# KiCad board AmigaPCI Mainboard.kicad_pcb (continued)
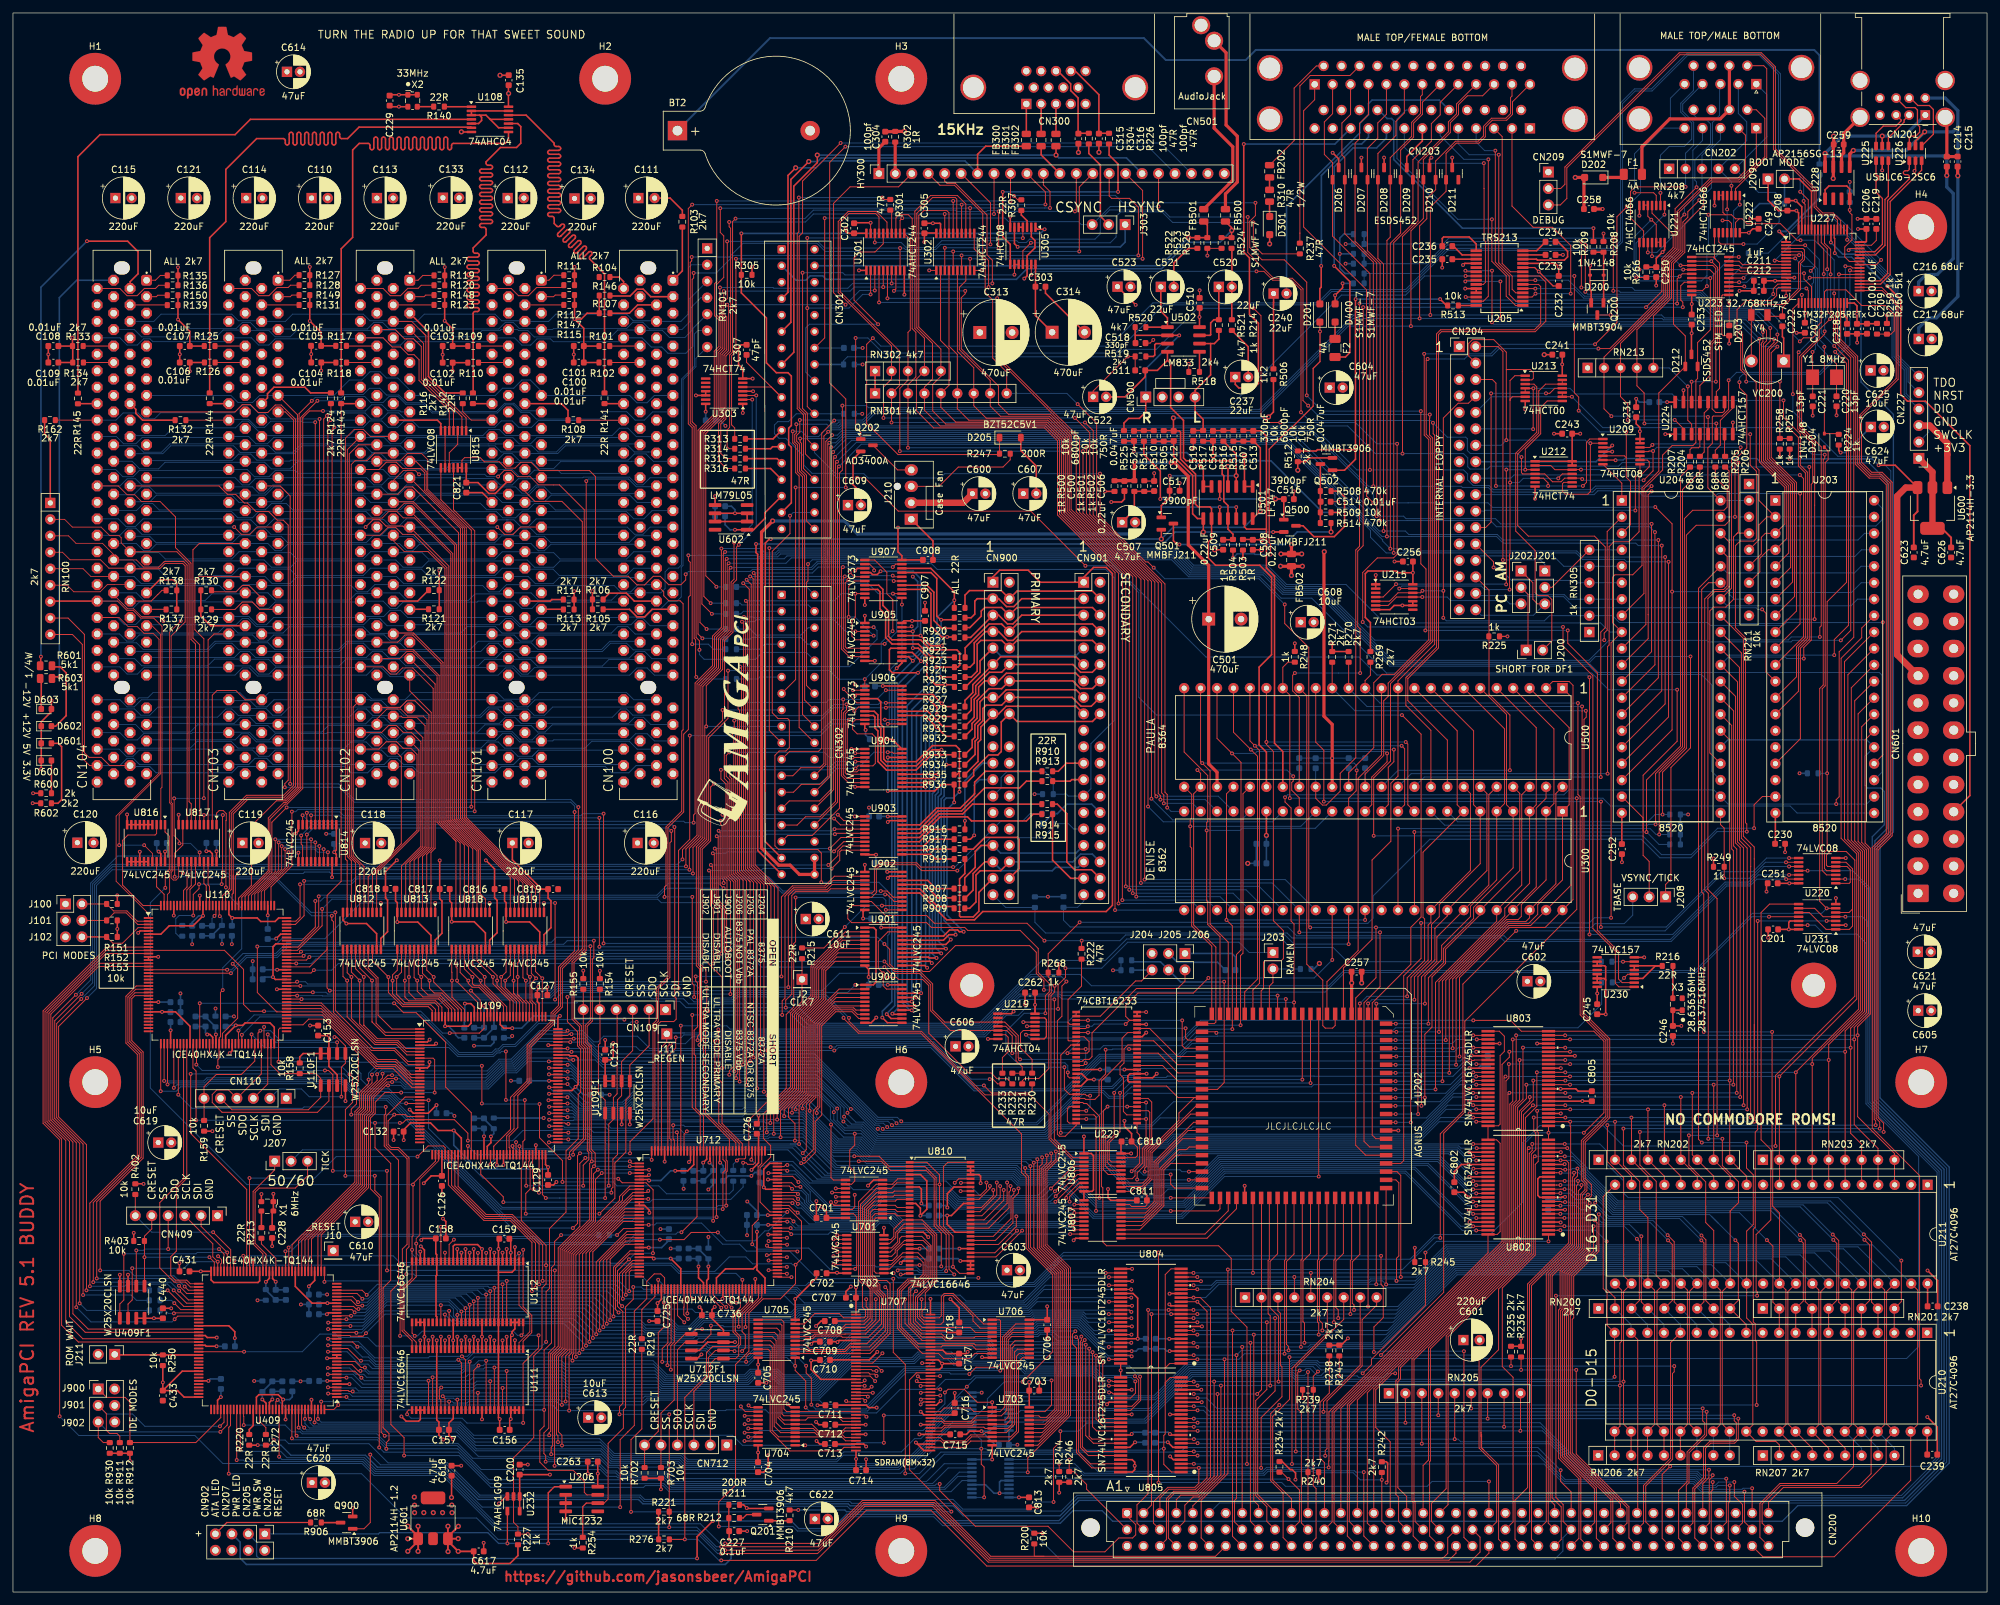
[diagram p0: board, top side]
## Routing (per net, layer and track width the routed paths; a pad name or vN(x,y) marks a point on that pad's centre or on a via; arc(x,y) is an arc through that point) (continued)
_CBE1: length 115.6
  Top w0.15: CN103.B44 31.05,147.94 30.13,147.02 U817.3
  Bottom w0.13: 33.47,147.79 37,147.79 37.95,146.84 39.31,146.84 40.25,147.78 53.48,147.78 ; 74.1,147.78 77.38,147.78 78.32,146.84 80.17,146.84 81.11,147.78 94.11,147.78 ; 73.87,147.85 60.86,147.85 59.85,146.84 58.27,146.84 57.3,147.81 53.78,147.81 ; 33.17,147.79 19.49,147.79 18.54,146.84 17.56,146.84 16.46,147.94 CN104.B44
_CBE2: length 135.7
  Top w0.15: CN103.B33 28.76,161.91 27.79,160.94 27.79,147.31 28.83,146.27 U817.5
  Bottom w0.13: 56.07,161.81 42.43,161.81 41.42,160.8 40.47,160.8 39.36,161.91 35.85,161.91 ; 56.18,161.91 59.68,161.91 60.8,160.79 61.74,160.79 62.75,161.8 76.39,161.8 ; 96.7,161.8 83.06,161.8 82.05,160.79 81.11,160.79 79.99,161.91 76.49,161.91 ; 35.76,161.81 22.12,161.81 21.11,160.8 20.16,160.8 19.05,161.91 CN104.B33
_CBE3: length 146.8
  Top w0.13: 16.26,170.8 17.62,169.44 18.8,169.44 19.84,168.4 22.72,168.4 23.12,168
  Top w0.15: 16.26,170.8 CN104.B26 ; 23.12,168 25.1,166.02 25.1,161.27 27.49,158.88 27.49,147.1 28.18,146.41 U817.6
  Bottom w0.13: CN104.B26 16.52,170.8 17.63,171.91 18.92,171.91 19.88,170.95 33.18,170.95 ; 73.8,170.95 60.74,170.95 59.46,169.66 57.84,169.66 56.84,170.66 53.77,170.66 ; 53.49,170.95 40.13,170.95 38.87,169.69 37.94,169.69 36.97,170.66 33.46,170.66 ; 74.09,170.65 77.61,170.65 78.58,169.68 79.5,169.68 80.76,170.94 80.99,170.94 81,170.95 82.17,170.95 82.18,170.94 94.12,170.94
_CCAS: length 33.4
  Top w0.15: v1(111.7,44.68) 111.12,45.26 U712.62 ; U707.18 132.54,34.35 132.75,34.14 v1(133.32,34.14)
  In2.Cu w0.15: v1(111.7,44.68) 125.96,44.68 132.32,38.31 132.32,35.14 v1(133.32,34.14)
_CDAC: length 66.8
  Top w0.15: v1(165.97,87.36) 165.63,87.02 U229.33 ; v1(184.58,94.82) 182.24,92.49 173.69,92.49 171.81,90.61 171.81,88.89 172.41,88.29 U229.26 172.4,88.29 v1(171.81,87.71) ; v1(156.57,87.36) U219.11 ; v1(203.7,97.61) 203.69,97.62 U300.34
  Bottom w0.15: v1(156.57,87.36) v1(165.97,87.36) 166.6,87.36 166.95,87.71 v1(171.81,87.71) ; v1(203.7,97.61) 200.91,94.82 v1(184.58,94.82)
_CIACS0: length 394.4
  Top w0.15: v1(11.43,91.72) 7.05,87.34 7.05,73.38 11.35,69.08 v1(11.35,46.59) ; v1(104.45,111.54) 104.44,111.55 104.44,114.84 106.22,116.63 106.22,139.98 108.94,142.7 108.94,147.27 110.28,148.61 110.28,158.63 v1(110.5,158.86)
  Bottom w0.15: v1(110.5,158.86) 119.35,158.86 120.19,159.7 179.03,159.7 181.65,157.07 193.01,157.07 196,154.08 201.46,154.08 212.57,142.97 243.38,142.97 244.66,141.69 260.69,141.69 262.29,140.09 262.29,126.74 U204.23 ; v1(11.43,91.72) 12.9,93.19 12.9,109.1 15.34,111.54 v1(104.45,111.54) ; R273.2 v1(11.35,46.59)
_CIACS1: length 423.5
  Top w0.15: v1(10.55,91.59) 6.75,87.78 6.75,73.26 10.82,69.18 10.82,45.88 v1(10.83,45.87) ; v1(103.91,112.06) 103.9,112.07 103.9,114.73 105.92,116.75 105.92,140.11 108.63,142.82 108.63,147.38 109.98,148.73 109.98,159.32 v1(110.21,159.55)
  Bottom w0.15: R274.2 19.07,45.04 18.24,45.87 v1(10.83,45.87) ; v1(110.21,159.55) 111.53,159.55 111.54,159.55 119.07,159.55 119.52,160 179.15,160 181.78,157.38 193.13,157.38 196.13,154.38 201.59,154.38 212.7,143.27 243.5,143.27 244.78,141.99 288.17,141.99 288.59,141.57 288.59,126.6 U203.23 ; v1(10.55,91.59) 12.6,93.63 12.6,109.22 15.44,112.06 v1(103.91,112.06)
_CLLBE: length 43.6
  Top w0.15: U712.45 102.62,42.68 v1(103.65,41.65) ; v1(128.65,29.5) 128.8,29.35 U707.28
  In2.Cu w0.15: v1(128.65,29.5) 129.62,30.47 129.62,37.19 124.84,41.97 113.82,41.97 113.37,41.52 109.62,41.52 109.22,41.92 104.82,41.92 104.55,41.65 v1(103.65,41.65)
_CLMBE: length 37.1
  Top w0.15: U707.59 140.54,29.35 140.17,28.98 v1(140.15,28.98) ; 118.03,49.7 v1(116.67,49.7)
  In2.Cu w0.15: v1(140.15,28.98) 139.52,28.98 136.7,31.8 136.7,35.21 122.23,49.68 116.69,49.68 v1(116.67,49.7)
_CONFIGEN: length 71.3
  Top w0.15: U409.61 36.09,62.16 27.44,70.81 v1(27.44,80.01) ; v1(60.71,75.47) 60.73,75.44 U109.24
  Bottom w0.15: v1(27.44,80.01) 51.16,80.01 53.86,77.31 58.05,77.31 59.89,75.47 v1(60.71,75.47)
_CPUCONF: length 169.4
  Top w0.15: 159.18,5.52 150.97,5.52 142.36,14.13 131.14,14.13 124.53,7.51 v1(109.95,7.51) ; 159.18,5.52 157.69,5.52 R200.1 ; 159.18,5.52 185.66,5.52 CN200.c7 ; U409.130 v1(41.09,20.9)
  Bottom w0.15: v1(109.95,7.51) 109.18,7.51 106.15,10.55 74.6,10.55 66.55,18.6 55.99,18.6 54.14,20.45 41.54,20.45 v1(41.09,20.9)
_CPURST: length 184.7
  Top w0.15: v1(195.52,28.88) 194.2,27.56 194.2,17.19 196.11,15.28 196.11,8.41 CN200.c11 ; 281.46,103.63 v1(280.03,103.63) ; v1(269.23,28.88) 269.23,38.62 269,38.84 269,41.41 268.7,41.71 268.7,56.03 269,56.33 269,71.02 269.38,71.4 269.38,103.63 v1(269.38,103.63)
  Bottom w0.15: v1(195.52,28.88) 195.52,28.88 v1(269.23,28.88) ; v1(280.03,103.63) v1(269.38,103.63)
_CRAS: length 34.9
  Top w0.15: v1(133.34,33.37) 133.06,33.65 132.33,33.65 132.13,33.85 U707.19 ; U712.61 110.62,45.02 v1(110.94,44.69)
  In2.Cu w0.15: v1(133.34,33.37) 132.02,34.69 132.02,38.18 125.83,44.38 112.47,44.38 112.25,44.15 111.48,44.15 v1(110.94,44.69)
_CRCS: length 35.9
  Top w0.15: U712.60 110.12,44.77 v1(110.96,43.93) ; U707.20 132.34,33.35 v1(133.12,32.57)
  In2.Cu w0.15: v1(110.96,43.93) 111.04,43.85 112.43,43.85 112.66,44.07 125.71,44.07 131.73,38.06 131.73,34.17 133.12,32.78 v1(133.12,32.57)
_CS0A: length 107.3
  Top w0.15: v1(107.47,111.42) 107.69,111.19 107.69,105.97 108.13,105.53 v1(108.13,97.05) ; U110.91 46.02,95.59 v1(46.47,96.04) ; v1(126.4,111.71) 127.66,112.97 127.66,114.3 127.92,114.56 U903.9
  Bottom w0.15: v1(108.13,97.05) 50.23,97.05 49.21,96.02 46.49,96.02 v1(46.47,96.04) ; v1(126.4,111.71) 126.37,111.74 115.8,111.74 115.48,111.42 v1(107.47,111.42)
_CS0B: length 117.7
  Top w0.15: v1(126.91,117.03) 127.04,117.16 U903.5 ; v1(110.78,92.34) 110.78,98.37 110.19,98.95 110.19,105.53 108.89,106.83 108.89,116.48 v1(108.66,116.71) ; U110.84 v1(43.88,92.09)
  Bottom w0.15: v1(126.91,117.03) 126.91,117.02 116.37,117.02 116.06,116.71 v1(108.66,116.71) ; v1(43.88,92.09) 47.76,92.09 47.81,92.04 82.9,92.04 84.06,93.2 98.79,93.2 99.28,92.7 106.03,92.7 106.4,92.34 v1(110.78,92.34)
_CS1A: length 106.9
  Top w0.15: v1(108.84,98.06) 108.84,105.6 107.99,106.46 107.99,112.04 v1(107.76,112.27) ; v1(45.77,98.05) 45.3,97.59 U110.95 ; v1(125.9,112.27) 127.35,113.72 127.35,114.42 128.15,115.21 U903.8
  Bottom w0.15: v1(108.84,98.06) 108.74,98.17 45.88,98.17 v1(45.77,98.05) ; v1(107.76,112.27) v1(125.9,112.27)
_CS1B: length 105
  Top w0.15: 131.53,117.81 126.85,117.81 v1(126.85,117.81) ; v1(46.69,106.71) 46.69,102.69 44.58,100.59 U110.101 ; v1(108.96,117.55) 109.19,117.32 109.19,109.21 v1(109.72,108.68)
  Bottom w0.15: v1(108.96,117.55) 126.59,117.55 v1(126.85,117.81) ; v1(109.72,108.68) 100.92,108.68 99.53,107.29 48.06,107.29 47.48,106.71 v1(46.69,106.71)
_CSYNC: length 200.4
  Top w0.15: v1(211.07,101.87) 211.08,101.87 211.08,93.47 208.6,90.99 208.6,69.6 209.47,68.73 U202.80 ; U301.8 136.32,201.21 v1(136.03,200.92) ; U300.32 198.61,101.88 v1(198.62,101.87) ; v1(174.16,109.49) 174.16,156.41 163.38,167.19 163.38,178.63 160.15,181.86 153.72,181.86 152.16,183.42 152.16,186.24 146.42,191.98 146.42,199.87 147.03,200.48 v1(147.03,200.92)
  Bottom w0.15: v1(174.16,109.49) 194.42,109.49 U300.32 ; v1(211.07,101.87) v1(198.62,101.87) ; v1(147.03,200.92) v1(136.03,200.92)
_CUMBE: length 26.3
  Top w0.15: v1(134.25,36.87) 132.73,35.35 U707.16 ; 118.03,49.2 119.44,49.2 v1(119.5,49.15)
  In2.Cu w0.15: v1(134.25,36.87) 134.25,37.23 122.33,49.15 v1(119.5,49.15)
_CUTOFF: length 2.8
  Top w0.25: U205.28 223.17,198.67
_CUUBE: length 31.6
  Top w0.15: v1(140.38,35.35) U707.71 ; U712.85 v1(119.5,54.7)
  In2.Cu w0.15: v1(140.38,35.35) 121.03,54.7 v1(119.5,54.7)
_CWE: length 27.9
  Top w0.15: v1(134.13,34.14) 133.43,34.85 U707.17 ; 118.1,48.62 v1(120.2,48.62)
  In2.Cu w0.15: v1(120.2,48.62) 122.43,48.62 132.62,38.43 132.62,35.65 v1(134.13,34.14)
_DBEN: length 86.3
  Top w0.15: U706.19 154.82,41.39 152.78,39.35 152.78,34.53 v1(152.45,34.19) ; v1(100.25,35.55) 100.25,37.6 101.12,38.47 U712.42 ; v1(122.46,34.94) 122.47,34.94 122.47,33.83 123.27,33.03 v1(123.27,28.93) ; v1(113.2,35.55) 113.2,36.35 113.69,36.84 115.05,36.84
  Bottom w0.15: v1(100.25,35.55) v1(113.2,35.55) 113.66,35.55 114.63,36.52 120.88,36.52 v1(122.46,34.94) ; v1(123.27,28.93) 123.94,28.26 131.73,28.26 137.66,34.19 v1(152.45,34.19)
_DBR: length 53.7
  Top w0.15: U202.20 200.34,78.61 v1(200.35,78.6) ; v1(170.93,77.08) 170.93,71.07 169.25,69.39 169.25,66.76 169.59,66.43 U806.18
  Bottom w0.15: v1(200.35,78.6) 172.45,78.6 v1(170.93,77.08)
_DEVSEL: length 153.6
  Top w0.13: 28.09,156.16 28.76,156.83 32.21,156.83 ; U817.16 v1(28.83,114.21) ; 29.48,147.2 v1(29.48,122.58) ; RN100.5 10.83,158.02 12.01,156.83 CN104.B37 ; v1(25.71,115.61) 25.71,115.97 24.89,116.79 v1(24.89,122.56)
  Top w0.15: CN103.B37 32.21,156.83 ; 29.48,147.2 28.09,148.59 28.09,156.16
  Bottom w0.13: 35.85,156.83 38.91,156.83 40.02,155.72 42.77,155.72 43.73,156.68 56.02,156.68 ; 56.18,156.82 59.22,156.82 60.34,155.71 63.09,155.71 64.05,156.67 76.34,156.67 ; 76.49,156.82 79.54,156.82 80.66,155.71 83.4,155.71 84.36,156.67 96.65,156.67 ; v1(25.71,115.61) 27.43,115.61 v1(28.83,114.21) ; v1(24.89,122.56) 29.46,122.56 v1(29.48,122.58) ; 35.71,156.68 31.13,156.68 30.17,155.72 19.81,155.72 18.69,156.83 CN104.B37
_DIORA: length 107.6
  Top w0.15: v1(108.06,114.08) 108.29,113.85 108.29,106.58 109.38,105.49 v1(109.38,98.59) ; v1(44.88,98.24) 44.73,98.09 U110.96 ; U903.7 128.26,115.86 v1(126.77,114.37)
  Bottom w0.15: v1(44.88,98.24) 45.23,98.59 v1(109.38,98.59) ; v1(126.77,114.37) 126.69,114.28 110.27,114.28 110.06,114.08 v1(108.06,114.08)
_DIORB: length 106.9
  Top w0.15: U110.99 44.01,99.59 47.21,102.79 v1(47.21,107.43) ; U903.3 127.75,118.46 v1(126.78,119.44) ; v1(109.26,119.1) 109.26,118.57 109.49,118.35 109.49,110.18 109.72,109.94 v1(109.72,109.48)
  Bottom w0.15: v1(109.72,109.48) 101.3,109.48 99.42,107.6 47.39,107.6 v1(47.21,107.43) ; v1(126.78,119.44) 109.6,119.44 v1(109.26,119.1)
_DIOWA: length 110.3
  Top w0.15: v1(43.74,97.06) 43.72,97.09 U110.94 ; v1(108.36,114.81) 108.59,114.58 108.59,106.71 109.89,105.41 109.89,98.83 110.25,98.47 v1(110.25,97.77) ; U903.6 127.84,116.51 v1(126.13,114.81)
  Bottom w0.15: v1(43.74,97.06) 46.06,97.06 46.77,97.77 108.21,97.77 108.63,97.35 109.83,97.35 v1(110.25,97.77) ; v1(126.13,114.81) v1(108.36,114.81)
_DIOWB: length 109.2
  Top w0.15: v1(127.36,120.03) 128.28,119.11 U903.2 ; U110.98 43.93,99.09 47.74,102.89 v1(47.74,105.48) ; v1(110.25,106.45) 110.25,109.84 109.79,110.3 109.79,119.79 v1(109.55,120.03)
  Bottom w0.15: v1(127.36,120.03) v1(109.55,120.03) ; v1(47.74,105.48) 49.25,106.99 99.56,106.99 100.09,106.45 v1(110.25,106.45)
_DKRD: length 52.9
  Top w0.15: CN204.30 227.9,154.71 227.9,138.65 231.13,135.42 v1(231.13,126.9)
  Bottom w0.15: U500.37 213.87,126.9 v1(231.13,126.9)
_DKWD: length 87.6
  Top w0.15: U209.10 U209.9 252.35,174.8 252.65,174.5 252.65,173.78 251.07,172.21 251.07,163.73 249.53,162.19 247.19,162.19 246.45,161.45 246.45,146.24 246.21,146 v1(246.21,126.37)
  Bottom w0.15: U500.38 215.88,126.38 246.2,126.38 v1(246.21,126.37)
_DRDEN: length 72.2
  Top w0.15: v1(114.15,53.71) 114.15,56.59 115.06,57.5 115.06,65.64 115.62,66.21 U712.110 ; U810.29 146.14,49.21 v1(145.14,50.22) 145.14,54.97 143.67,56.45 143.67,65.69 144.34,66.36 U810.56
  Bottom w0.15: v1(145.14,50.22) 145.14,50.22 144,50.22 143.42,49.63 140.07,49.63 139.49,50.22 133.26,50.22 133.05,50.43 127.34,50.43 126.78,49.86 126.12,49.86 122.87,53.11 118.78,53.11 118.62,52.95 114.9,52.95 v1(114.15,53.71)
_FIR0: length 77.1
  Top w0.15: U222.1 v1(266.62,214.25) ; U204.8 251.82,154.19 251.82,170.38 254.71,173.27 254.71,175.57 256.17,177.03 259.38,177.03 259.84,177.5 259.84,187.12 260.11,187.39 D212.2 260.11,192.95 262.07,194.91 v1(262.07,202.9) 262.07,202.9 U223.16
  Bottom w0.15: v1(262.07,202.9) 265.67,206.5 265.67,213.3 v1(266.62,214.25)
_FIR1: length 381.5
  Top w0.15: U202.78 214.29,66.19 214.73,66.63 214.73,95.16 217.41,97.84 v1(217.41,103.32) ; v1(116.78,161.2) 116.78,133.03 CN302.19 ; v1(246.75,104.12) 246.75,146.58 U204.9 246.98,149.67 246.98,156.71 247.35,157.08 250.09,157.08 251.52,158.51 251.52,170.51 254.12,173.1 254.12,185.16 D212.1 258.21,193.96 256.39,195.78 256.39,205.13 258.14,206.88 258.14,211.28 261.04,214.18 261.04,216.43 262.36,217.75 266.6,217.75 270.49,221.63 270.49,227.57 269.16,228.9 CN202.15
  Bottom w0.15: v1(246.75,104.12) 244.18,104.12 243.38,103.32 v1(217.41,103.32) ; U204.9 246.54,148.24 245.13,149.65 211.75,149.65 205.82,155.58 196.66,155.58 193.66,158.57 182.27,158.57 179.65,161.2 v1(116.78,161.2)
_FRAME: length 149.3
  Top w0.13: CN104.A34 16.71,162.02 16.71,162.81 16.39,163.13 14.93,163.13 13.61,164.45 9.17,164.45 7.98,165.64 RN100.2
  Top w0.15: U817.7 27.53,121.71 27.19,122.05 27.19,158.76 25.3,160.64 CN104.A34
  Bottom w0.13: 79.17,160.49 83.49,160.49 84.46,159.52 94.73,159.52 95.84,160.63 99.35,160.63 ; 79.04,160.63 75.54,160.63 74.42,159.52 64.15,159.52 63.18,160.49 58.86,160.49 ; 18.23,160.5 22.55,160.5 23.52,159.53 33.79,159.53 34.9,160.64 CN103.A34 ; 58.71,160.64 55.21,160.64 54.1,159.53 43.83,159.53 42.86,160.5 38.54,160.5
_HSYNC: length 287.1
  Top w0.15: U301.2 132.42,200.38 v1(132.42,200.38) ; v1(165.59,158.47) 157.15,166.91 136.69,166.91 131.54,172.06 v1(130.33,172.06) ; v1(214.46,135.42) 217.42,132.46 217.42,104.23 215.83,102.64 215.83,96.92 209.87,90.96 209.87,70.57 210.44,70 U202.81 ; CN301.22 122.64,183.07 v1(122.64,198.27) v1(122.64,209.09) ; v1(155.93,209.07) U305.4
  Top w0.25: U305.5 U305.4
  Bottom w0.15: v1(214.46,135.42) 176.58,135.42 173.82,138.18 173.82,154.34 169.69,158.47 v1(165.59,158.47) ; R300.1 CN301.22 120.94,181.94 119.73,180.73 118.09,180.73 117.57,180.21 117.57,178.87 118.28,178.16 119.34,178.16 122.1,175.38 122.1,174.02 123.38,172.75 126.51,172.75 127.2,172.06 v1(130.33,172.06) ; v1(132.42,200.38) 131.19,200.38 129.08,198.27 v1(122.64,198.27) ; v1(155.93,209.07) 155.91,209.09 v1(122.64,209.09)
_IDEEN: length 90
  Top w0.15: U110.12 14.35,98.59 5.25,89.49 5.25,72.63 8.15,69.73 8.15,41.74 10.78,39.11 U409.90
_IDEHREN: length 160.9
  Top w0.15: v1(110.4,142.28) 110.4,134.9 107.42,131.92 107.42,116.13 106.12,114.82 106.12,96.96 107,96.08 v1(107,94.25) ; v1(135.82,148.38) 135.86,148.42 135.86,153.23 134.93,154.16 134.93,157.47 133.03,159.37 U907.1 ; U110.88 43.71,94.09 v1(43.87,94.25) ; U906.1 v1(131.53,140.96)
  Bottom w0.15: v1(107,94.25) 79.84,94.25 79.48,93.89 45.51,93.89 45.15,94.25 v1(43.87,94.25) ; v1(135.82,148.38) 134.06,146.63 134.06,143.49 v1(131.53,140.96) 127.42,140.96 126.09,142.29 110.41,142.29 v1(110.4,142.28)
_IDEHWEN: length 150
  Top w0.15: U905.19 138.64,148.99 v1(138.77,149.12) ; v1(44.47,98.89) 44.18,98.59 U110.97 ; U904.19 135.94,129.53 135.79,129.68 v1(135.08,129.68) ; v1(110.78,99.11) 110.78,109.74 110.09,110.43 110.09,124.78 109.31,125.56 v1(109.31,126.97)
  In2.Cu w0.15: v1(135.08,129.68) 133.74,131.02 133.74,144.09 v1(138.77,149.12)
  Bottom w0.15: v1(44.47,98.89) 44.7,99.11 v1(110.78,99.11) ; v1(109.31,126.97) 126.4,126.97 127.14,127.7 130.98,127.7 132.95,129.68 v1(135.08,129.68)
_IDELATCH: length 154.8
  Top w0.15: U110.85 43.51,92.59 43.53,92.61 v1(46.3,92.61) ; v1(137.26,152.48) 137.25,152.48 U907.11 ; v1(135.08,134.06) U906.11 ; v1(102.77,93.23) 102.77,93.23 102.77,114.51 104.5,116.24 v1(104.5,132.25)
  Bottom w0.15: v1(137.26,152.48) 137.26,144.27 135.3,142.32 135.3,134.28 v1(135.08,134.06) 126.47,134.06 124.66,132.25 v1(104.5,132.25) ; v1(46.3,92.61) 48.33,92.61 48.6,92.34 82.78,92.34 83.94,93.5 99.48,93.5 99.74,93.23 102.77,93.23 v1(102.77,93.23)
_IDELEN: length 108.8
  Top w0.15: U900.19 134.87,93.11 134.37,93.61 v1(134.37,95.55) 133.61,96.3 133.61,100.47 135.09,101.95 U901.19 ; U110.87 v1(44.38,93.59)
  Bottom w0.15: v1(134.37,95.55) 127.64,95.55 124.96,92.86 106.29,92.86 105.36,93.8 83.81,93.8 82.88,92.86 80.73,92.86 80.01,93.59 v1(44.38,93.59)
_INDEX: length 140
  Top w0.15: v1(217.63,154.61) 217.32,154.3 U215.12 213.85,154.3 212.55,153 U215.5 ; v1(220.84,150.44) 220.85,150.45 v1(220.85,154.61) 220.85,181.29 223.13,183.57 224.73,183.57 CN204.8 ; U203.24 288.71,129.26 v1(288.71,149.75)
  Bottom w0.15: v1(220.84,150.44) 221.3,149.98 236.45,149.98 237.25,150.77 RN305.2 246.97,150.77 248.04,149.7 261.62,149.7 262.06,149.26 273.36,149.26 273.8,149.7 288.66,149.7 v1(288.71,149.75) ; v1(217.63,154.61) v1(220.85,154.61)
_INT2: length 115.2
  Top w0.15: v1(245.18,102.69) 245.18,122.05 v1(245.19,122.06) ; U220.8 v1(274.23,113.34) ; v1(202.4,122.06) 202.4,129.99 201.15,131.24 U500.16
  Bottom w0.15: v1(274.23,113.34) 270.76,113.34 268.65,111.23 263.8,111.23 255.26,102.69 v1(245.18,102.69) ; v1(202.4,122.06) v1(245.19,122.06)
_INT2A: length 190.3
  Top w0.15: U204.21 263.65,118.51 264.21,117.94 R249.2 264.21,110.22 v1(264.21,110.22) ; v1(220.38,54.69) 220.38,70.75 223.87,74.24 223.87,93.88 232.1,102.1 v1(232.1,102.1) ; CN200.c6 183.46,8.36 183.46,14.18 187.58,18.31 187.58,49.8 v1(187.58,49.81) ; U220.9 v1(273.76,112.69)
  Bottom w0.15: v1(232.1,102.1) 232.11,102.1 255.09,102.1 263.21,110.22 v1(264.21,110.22) 268.11,110.22 270.58,112.69 v1(273.76,112.69) ; v1(187.58,49.81) 214.55,49.81 219.43,54.69 v1(220.38,54.69)
_INT2B: length 341.9
  Top w0.15: v1(34.74,110.96) 34.34,110.56 U110.121 ; U220.10 v1(274.23,112.04) ; v1(243.42,141.26) v1(243.42,101.55) ; v1(110.81,158.17) 110.58,157.95 110.58,148.48 109.24,147.14 109.24,142.58 106.52,139.86 106.52,116.5 105,114.98 105,110.97 v1(104.99,110.96)
  Bottom w0.15: v1(110.81,158.17) 110.85,158.21 123.27,158.21 124.16,159.1 169.49,159.1 184.21,144.38 207.85,144.38 210.62,141.61 243.07,141.61 v1(243.42,141.26) ; v1(34.74,110.96) 44.8,110.96 45.03,111.19 48.87,111.19 49.09,110.96 v1(104.99,110.96) ; v1(274.23,112.04) 270.35,112.04 267.94,109.63 264.35,109.63 256.27,101.55 v1(243.42,101.55)
_INT3: length 57.7
  Top w0.15: U500.17 199.76,138.42 199.76,96.95 202.24,94.47 202.24,87.46 202.62,87.08 203.75,87.08 204.15,87.48 U202.17
_INT6: length 256.2
  Top w0.15: CN200.b23 229.08,10.84 229.08,19.52 226.37,22.24 226.37,36.59 v1(226.37,36.59) ; R248.2 196.86,143.59 196.07,142.8 U500.18 197.14,138.5 197.14,122.59 v1(197.15,122.58) ; v1(241.45,122.59) 241.45,122.58 241.45,105.42 224.17,88.14 224.17,74.11 220.9,70.85 220.9,46.28 v1(211.22,36.59)
  Bottom w0.15: v1(211.22,36.59) v1(226.37,36.59) ; v1(197.15,122.58) 245.5,122.58 246.7,121.38 274.39,121.38 275.47,120.3 U203.21
_IPL0: length 175
  Top w0.15: CN200.c27 239.05,8.11 239.05,13.15 237.65,14.55 237.65,48.81 242.01,53.17 242.01,61.41 242.72,62.12 242.72,63.06 242.16,63.61 242.16,69.72 245.94,73.5 245.94,85.17 241.98,89.14 241.98,122.8 241.63,123.15 v1(241.63,137.27) ; U500.13 208.77,140.75 209.59,141.57 209.59,143.58
  Bottom w0.15: U500.13 211.07,137.27 v1(241.63,137.27)
_IPL1: length 177.9
  Top w0.15: CN200.c28 241.78,8.3 241.78,17.51 238.65,20.64 238.65,43.55 238.88,43.78 238.88,49.62 242.31,53.05 242.31,61.29 243.02,61.99 243.02,63.18 242.46,63.74 242.46,69.6 246.24,73.38 246.24,85.3 242.27,89.26 242.27,136.03 242.27,136.04 v1(242.27,136.75) ; R270.2 U500.14
  Bottom w0.15: U500.14 209.06,136.75 v1(242.27,136.75)
_IPL2: length 179.1
  Top w0.15: v1(242.85,136.08) 242.92,136.01 242.92,135.1 242.57,134.76 242.57,89.39 246.54,85.42 246.54,73.25 242.76,69.47 242.76,63.86 243.7,62.92 243.7,61.15 242.91,60.36 242.91,52.8 239.48,49.37 239.48,43.53 239.26,43.31 239.26,20.88 244.18,15.96 244.18,10.7 CN200.b29 ; R271.2 U500.15
  Bottom w0.15: U500.15 207.18,136.09 242.84,136.09 v1(242.85,136.08)
_IRDY: length 147.7
  Top w0.13: RN100.3 8.57,163.1 9.73,161.94 13.82,161.94 15.54,160.21 15.54,159.38 19.06,159.38 20.17,158.27 22.5,158.27 23.2,158.97
  Top w0.15: 23.2,158.97 23.37,159.14 26.33,159.14 26.89,158.58 26.89,119.24
  Bottom w0.13: 76.49,159.36 79.42,159.36 80.53,158.25 83.49,158.25 84.46,159.22 96.66,159.22 ; 35.85,159.38 38.78,159.38 39.9,158.26 42.86,158.26 43.83,159.23 56.03,159.23 ; 35.72,159.23 23.52,159.23 22.55,158.26 19.59,158.26 18.47,159.38 15.54,159.38 ; 56.18,159.36 59.11,159.36 60.22,158.25 63.18,158.25 64.15,159.22 76.35,159.22
_KBCLK: length 60.8
  Top w0.15: v1(264.9,187.12) 264.9,182.63 263.87,181.59 262.52,181.59 262.38,181.45 262.38,177.38 261.69,176.69 261.69,170.51 U204.40 ; v1(282.93,204.72) 283.74,204.72 284,204.47 U227.40
  Bottom w0.15: v1(282.93,204.72) 282.93,192.32 278.94,188.34 266.12,188.34 v1(264.9,187.12) ; U204.40 RN211.2
_KBRST: length 100.6
  Top w0.15: v1(281.93,203.48) 281.94,203.47 U227.38 ; U220.4 280.03,111.39 279.7,111.72 279.7,114.2 280.11,114.61 v1(280.11,126.43) 280.11,152.93 283.1,155.92 283.1,189.74 281.35,191.49
  Bottom w0.15: v1(281.35,191.5) 281.36,191.5 281.93,192.07 v1(281.93,203.48) ; R241.1 v1(280.11,126.43)
_LDS: length 86.3
  Top w0.15: v1(165.71,74.32) 165.71,74.32 U229.53 ; v1(162.34,81.04) 162.34,77.62 163.1,76.86 U229.49 165.55,76.86 165.77,76.64 v1(166.31,76.64) ; v1(108.38,85.11) 108.38,78.41 108.97,77.82 108.97,72.44 112.12,69.3 U712.117
  Bottom w0.15: v1(166.31,76.64) 166.31,74.92 v1(165.71,74.32) ; v1(162.34,81.04) 146.6,81.04 142.25,85.38 108.66,85.38 v1(108.38,85.11)
_LED: length 246.7
  Top w0.15: v1(241.08,203.22) 241.08,185.19 241.75,184.52 v1(241.75,182.42) ; U205.21 224.28,203.22 v1(224.27,203.22) ; v1(249.1,179.15) 249.1,175.16 ; 249.1,175.16 248.81,175.45 U209.5 ; 249.1,175.16 249.1,172.12 249.75,171.48 249.75,164.81 U204.3 ; v1(128.06,183.21) 128.06,173.24 127.61,172.79 127.61,121.03 123.4,116.82 119.61,116.82 CN302.31
  Bottom w0.15: v1(241.08,203.22) v1(224.27,203.22) 217.97,203.22 215.01,200.27 205.11,200.27 187.73,182.89 132.11,182.89 131.79,183.21 v1(128.06,183.21) ; v1(241.75,182.42) 245.02,179.15 v1(249.1,179.15)
_LLBE: length 109.9
  Top w0.15: U712.124 108.62,57.92 v1(108.64,57.89) ; v1(24.84,77.86) U110.41
  Bottom w0.15: v1(108.64,57.89) 76.19,57.89 57.88,76.21 53.41,76.21 50.81,78.81 30.2,78.81 29.71,78.32 25.3,78.32 v1(24.84,77.86)
_LMBE: length 109.9
  Top w0.15: v1(109.59,59.14) 109.62,59.16 109.62,64.76 110.03,65.18 110.03,66.38 109.62,66.8 U712.122 ; v1(23.87,78.38) 23.87,84.65
  Bottom w0.15: v1(23.87,78.38) 24.1,78.62 29.58,78.62 30.07,79.11 50.86,79.11 53.51,76.46 58.05,76.46 75.37,59.14 109.59,59.14 v1(109.59,59.14)
_LOCK: length 53.8
  Top w0.15: 195.88,18.51 v1(196.94,17.44) 198.63,15.76 198.63,10.87 CN200.b11
  Bottom w0.15: v1(196.94,17.44) 162.89,17.44 162.46,17.87 U809.15
_LVAWE: length 111.3
  Top w0.15: U712.135 103.12,87.46 v1(103.12,87.46) ; U806.3 163.9,66.43 160.26,70.06 160.26,92.09 160.84,92.67 v1(160.84,93.62)
  Bottom w0.15: 160.45,93.63 160.23,93.63 160.83,93.63 v1(160.84,93.62) 156.24,93.62 149.55,86.94 110.73,86.94 110.22,87.44 103.14,87.44 v1(103.12,87.46)
_LVBB: length 188
  Top w0.15: v1(82.25,20.13) 82.25,21.1 81.97,21.38 81.97,24.56 82.72,25.31 82.72,36.97 83.66,37.91 v1(83.66,49.67) ; v1(48.17,80.54) 48.73,80.54 49.39,79.88 v1(49.39,65.05) ; v1(28.31,81.45) 28.34,81.47 U110.48 ; v1(57.75,49.67) 57.75,65.03 v1(57.74,65.04)
  Bottom w0.15: v1(57.75,49.67) 81.87,49.67 81.87,49.67 v1(83.66,49.67) ; v1(49.39,65.05) 49.4,65.04 55.27,65.04 55.27,65.04 v1(57.74,65.04) ; 148.06,19.81 143.8,19.81 141.05,17.06 102.04,17.06 100.86,18.24 93.65,18.24 93.2,18.69 91.75,18.69 90.31,20.13 82.25,20.13 v1(82.25,20.13) ; v1(48.17,80.54) 29.22,80.54 v1(28.31,81.45)
_LVBR: length 272.8
  Top w0.15: U231.11 v1(271.14,104.28) ; v1(159.18,92.98) 159.18,94.37 158,95.55 158,98.79 156.97,99.82 145.51,99.82 141.51,95.82 140.5,95.82 140.2,96.12 136.22,96.12 135.38,96.97 135.38,99.24 v1(134.55,100.07) ; v1(33.93,97.01) 34.69,96.24 34.69,88.62 32.34,86.26 U110.56
  Bottom w0.15: v1(271.14,104.28) 268.46,104.28 259.87,95.68 205.64,95.68 202.59,92.64 160.76,92.64 160.42,92.98 v1(159.18,92.98) ; v1(134.55,100.07) 133.52,101.1 83.9,101.1 83.12,100.33 42.3,100.33 40.58,98.6 35.53,98.6 v1(33.93,97.01)
_LVCASL: length 56.4
  Top w0.15: U712.105 v1(116.64,64.7) ; 161.5,62.5 v1(160.88,61.88) ; 161.5,62.5 161.23,62.24 ; 161.5,62.5 164.12,65.12 U806.5
  Bottom w0.15: v1(116.64,64.7) 118.4,64.7 118.57,64.52 120.81,64.52 126.1,59.22 130.97,59.22 133.84,62.09 144.59,62.09 146.04,60.64 159.63,60.64 v1(160.88,61.88)
_LVCASU: length 53.8
  Top w0.15: v1(161,61.13) 164.34,64.47 U806.6 ; U712.104 120.39,64.2 v1(121.28,63.31)
  Bottom w0.15: v1(161,61.13) 160.21,60.34 145.92,60.34 144.46,61.8 133.96,61.8 131.09,58.93 124.65,58.93 123.1,60.48 123.1,61.81 121.6,63.31 v1(121.28,63.31)
_LVCBE0: length 6.9
  Top w0.15: U110.129 30.34,108.99 30.13,109.2 U817.18
_LVCBE1: length 6.9
  Top w0.15: U817.17 29.48,109.43 29.84,109.07 U110.130
_LVCBE2: length 7.1
  Top w0.15: U817.15 28.18,109.32 27.34,108.48 U110.135
_LVCBE3: length 7.1
  Top w0.15: U817.14 27.53,109.1 26.84,108.41 U110.136
_LVDBR: length 106.2
  Top w0.15: v1(102.33,85.65) 102.33,83.99 101.42,83.08 101.42,70.03 101.62,69.83 U712.138 ; v1(160.79,91.51) 160.79,69.95 163.67,67.07 U806.2
  Bottom w0.15: v1(160.79,91.51) 155.41,91.51 149.93,86.03 103.58,86.03 103.2,85.65 v1(102.33,85.65)
_LVDEVSEL: length 30.2
  Top w0.15: v1(27.84,104.47) U110.134 27.84,107.72 28.73,108.61 v1(28.73,109.31) ; U817.4 29.48,119.98 v1(29.49,119.99) ; v1(32.41,119.98) 32.36,119.93 32.36,110.31 32.23,110.18 v1(32.23,109.31)
  Bottom w0.15: v1(29.49,119.99) 32.4,119.99 v1(32.41,119.98) ; v1(32.23,109.31) v1(28.73,109.31) ; v1(27.84,104.47) 25.65,104.47 25.14,103.96 25.14,101.74 25.6,101.28 R163.1
